# Allegro board gps_interface_boardv53ph.brd (continued)
## Routing (per net, layer and track width the routed paths; a pad name or vN(x,y) marks a point on that pad's centre or on a via; arc(x,y) is an arc through that point) (continued)
FMC.SPARE_BNC_0: length 231.9
  TOP w0.203: TP82.1 289.67,34.39 arc(289.8,34.12) 289.84,33.82 IC2.7
  SIG w0.203: v1(149.22,9.18) 149.52,9.48 arc(149.71,9.77) 149.78,10.12 149.78,26.64 arc(148.92,28.73) 146.84,29.59 128.84,29.59 arc(128.45,29.67) 128.12,29.89 127.48,30.54 arc(127.26,30.87) 127.18,31.26 127.18,33.15 arc(127.48,33.87) 128.19,34.16 160.08,34.16 arc(160.47,34.09) 160.8,33.87 167.93,26.74 arc(168.26,26.52) 168.65,26.44 183.2,26.44 arc(183.58,26.36) 183.91,26.14 187.08,22.98 arc(187.41,22.76) 187.8,22.68 237.15,22.68 arc(237.53,22.76) 237.86,22.98 244.79,29.9 arc(245.12,30.12) 245.51,30.2 278.51,30.2 arc(278.9,30.12) 279.23,29.9 279.81,29.33 arc(280.14,29.11) 280.52,29.03 285.6,29.03 arc(287.68,29.9) 288.54,31.98 TP82.1
  BOTTOM w0.33: J8.D23 v1(149.22,9.18)
FMC.SPARE_BNC_1: length 237.6
  TOP w0.203: TP83.1 290.64,34.94 arc(290.42,34.61) 290.34,34.22 IC2.6
  SIG w0.203: v1(147.96,9.18) 148.67,9.9 arc(148.89,10.23) 148.97,10.62 148.97,26.37 arc(148.24,28.13) 146.48,28.85 128.67,28.85 arc(128.28,28.93) 127.95,29.15 126.82,30.28 arc(126.59,30.61) 126.52,31 126.52,33.67 arc(126.81,34.39) 127.53,34.68 160.8,34.68 arc(160.88,34.65) 160.91,34.57 160.91,34.57 168.2,27.28 arc(168.53,27.06) 168.92,26.98 183.47,26.98 arc(183.86,26.91) 184.19,26.69 187.46,23.41 arc(187.79,23.19) 188.18,23.11 236.87,23.11 arc(237.25,23.19) 237.58,23.41 244.58,30.41 arc(244.91,30.63) 245.3,30.71 278.73,30.71 arc(279.11,30.63) 279.44,30.41 280.02,29.84 arc(280.35,29.62) 280.74,29.54 285.29,29.54 arc(286.19,29.91) 286.56,30.81 286.56,36.14 arc(286.86,36.86) 287.58,37.16 289.04,37.16 arc(289.43,37.08) 289.76,36.86 290.35,36.26 arc(290.68,36.04) 291.07,35.97 TP83.1
  BOTTOM w0.33: J8.D24 v1(147.96,9.18)
FMC.SPARE_LEMO_0: length 214.3
  TOP w0.203: TP84.1 282.54,30.24 arc(282.76,29.91) 282.83,29.52 IC1.7
  SIG w0.203: v1(145.41,9.18) 145.72,9.49 arc(145.93,9.8) 146,10.16 146,26.19 arc(145.49,27.43) 144.25,27.94 128.56,27.94 arc(128.17,28.02) 127.85,28.24 126.15,29.93 arc(125.93,30.26) 125.86,30.65 125.86,34.16 arc(126.15,34.88) 126.87,35.18 160.74,35.18 arc(160.98,35.13) 161.19,34.99 161.41,34.78 168.41,27.78 arc(168.74,27.56) 169.12,27.48 183.67,27.48 arc(184.06,27.4) 184.39,27.18 187.67,23.9 arc(188,23.68) 188.39,23.6 236.54,23.6 arc(236.93,23.68) 237.26,23.9 244.8,31.44 arc(245.13,31.66) 245.52,31.73 280.73,31.73 arc(281.02,31.68) 281.26,31.52 TP84.1
  BOTTOM w0.33: J8.D26 v1(145.41,9.18)
FMC.SPARE_LEMO_1: length 218.1
  TOP w0.203: TP85.1 283.63,30.27 arc(283.41,29.94) 283.33,29.55 IC1.6
  SIG w0.203: TP85.1 283.58,32.27 arc(283.25,32.49) 282.87,32.56 245.51,32.56 arc(245.12,32.49) 244.79,32.27 236.95,24.43 arc(236.62,24.21) 236.23,24.13 188.48,24.13 arc(188.09,24.21) 187.76,24.43 184.47,27.72 arc(184.14,27.94) 183.75,28.02 169.2,28.02 arc(168.81,28.09) 168.49,28.31 161.41,35.39 arc(161.08,35.61) 160.69,35.69 126.47,35.69 arc(125.59,35.32) 125.22,34.44 125.22,30.24 arc(125.3,29.85) 125.52,29.52 127.9,27.15 arc(128.23,26.93) 128.61,26.85 142.85,26.85 arc(144.45,26.19) 145.11,24.59 145.11,10.57 arc(145.03,10.18) 144.81,9.85 v1(144.15,9.18)
  BOTTOM w0.33: J8.D27 v1(144.15,9.18)
FMC.SPARE_RJ45_0_N: length 141.5
  TOP w0.33: v1(167,9.18) 167,9.5 168.05,10.54 168.05,13.2 arc(167.98,13.56) 167.77,13.86 167.6,14.03 arc(167.27,14.53) 167.16,15.11 167.16,26.01 arc(167.28,26.64) 167.64,27.18 185.9,45.44 arc(186.44,45.8) 187.07,45.92 235.93,45.92 arc(236.57,45.8) 237.1,45.44 246.13,36.41 arc(246.49,35.87) 246.62,35.24 246.62,25.48 arc(246.67,25.23) 246.81,25.01 v1(247.06,24.77) 246.81,24.52 arc(246.67,24.3) 246.62,24.05 246.62,20.95 246.99,20.57 246.99,19.54 arc(247.07,19.16) 247.28,18.83 J17.P3
  BOTTOM w0.33: U5.3 245.77,28.32 arc(245.55,28.28) 245.36,28.15 245.31,28.1 arc(245.12,27.97) 244.89,27.93 244.3,27.93 arc(243.69,27.67) 243.43,27.06 243.43,23.22 arc(243.69,22.6) 244.3,22.35 245.75,22.35 arc(246.36,22.6) 246.62,23.22 246.62,24.05 arc(246.67,24.3) 246.81,24.52 v1(247.06,24.77) ; J8.D9 v1(167,9.18)
FMC.SPARE_RJ45_0_P: length 139.4
  TOP w0.33: J17.P2 246.42,16.08 arc(246.45,16.16) 246.46,16.23 246.46,20.35 246.08,20.73 246.08,24.05 arc(246.03,24.3) 245.89,24.52 v1(245.64,24.77) 245.89,25.01 arc(246.03,25.23) 246.08,25.48 246.08,35.24 arc(246,35.67) 245.76,36.03 236.73,45.06 arc(236.36,45.3) 235.93,45.39 187.07,45.39 arc(186.64,45.3) 186.28,45.06 168.02,26.8 arc(167.78,26.44) 167.69,26.01 167.69,15.11 arc(167.77,14.73) 167.98,14.41 168.15,14.24 arc(168.47,13.76) 168.58,13.2 168.58,10.32 168.35,10.09 168.35,9.26 v1(168.28,9.18)
  BOTTOM w0.33: v1(245.64,24.77) 245.89,24.52 arc(246.03,24.3) 246.08,24.05 246.08,23.22 arc(245.99,22.98) 245.75,22.89 244.3,22.89 arc(244.06,22.98) 243.97,23.22 243.97,27.06 arc(244.06,27.3) 244.3,27.39 244.89,27.39 arc(245.12,27.35) 245.31,27.22 245.36,27.17 arc(245.55,27.05) 245.77,27 U5.1 ; J8.D8 v1(168.28,9.18)
FMC.SPARE_RJ45_1_N: length 154.8
  TOP w0.33: v1(163.19,9.18) 163.19,9.35 164.26,10.41 164.26,12.57 arc(164.19,12.93) 163.99,13.24 163.8,13.42 arc(163.48,13.9) 163.37,14.46 163.37,34.7 arc(163.5,35.33) 163.86,35.87 175.11,47.12 arc(175.64,47.47) 176.27,47.6 239.98,47.6 arc(240.61,47.47) 241.15,47.12 248.95,39.31 arc(249.31,38.78) 249.44,38.14 249.44,25.48 arc(249.49,25.23) 249.63,25.01 v1(249.88,24.77) 249.63,24.52 arc(249.49,24.3) 249.44,24.05 249.44,20.67 249.53,20.57 249.53,19.54 arc(249.61,19.16) 249.82,18.83 J17.P5
  BOTTOM w0.33: v1(249.88,24.77) 249.64,24.53 arc(249.5,24.32) 249.45,24.08 249.45,23.16 arc(249.56,22.91) 249.8,22.81 250.55,22.81 arc(251.14,23.05) 251.38,23.63 251.38,27.06 arc(251.28,27.3) 251.05,27.39 249.14,27.39 arc(248.91,27.35) 248.72,27.22 248.67,27.17 arc(248.48,27.05) 248.26,27 U5.6 ; J8.D12 v1(163.19,9.18)
FMC.SPARE_RJ45_1_P: length 157.6
  TOP w0.33: v1(164.47,9.18) 164.47,9.66 arc(164.5,9.85) 164.61,10 164.8,10.19 164.8,12.57 arc(164.68,13.14) 164.37,13.61 164.18,13.8 arc(163.98,14.1) 163.91,14.46 163.91,34.7 arc(163.99,35.13) 164.23,35.49 175.48,46.74 arc(175.85,46.98) 176.27,47.07 239.98,47.07 arc(240.41,46.98) 240.77,46.74 248.58,38.94 arc(248.82,38.57) 248.9,38.14 248.9,25.48 arc(248.85,25.23) 248.71,25.01 v1(248.46,24.77) 248.71,24.52 arc(248.85,24.3) 248.9,24.05 248.9,20.45 249,20.35 J17.P4
  BOTTOM w0.33: J8.D11 v1(164.47,9.18) ; v1(248.46,24.77) 248.71,24.51 arc(248.87,24.29) 248.92,24.02 248.92,23.16 arc(249.18,22.53) 249.8,22.28 250.55,22.28 arc(251.51,22.67) 251.91,23.63 251.91,27.06 arc(251.66,27.67) 251.05,27.93 249.14,27.93 arc(248.91,27.97) 248.72,28.1 248.67,28.15 arc(248.48,28.28) 248.26,28.32 U5.4
FMC.SPARE_RJ45_LED_0: length 307.3
  TOP w0.203: v1(238.04,4.56) Q10.1
  SIG w0.203: v1(238.04,4.56) 238.02,4.58 238.02,10.69 arc(239.18,13.48) 241.96,14.63 244.79,14.63 arc(244.94,14.6) 245.08,14.51 245.36,14.23 arc(245.42,14.19) 245.5,14.17 255.94,14.17 arc(256.78,14.34) 257.48,14.81 261.27,18.6 arc(261.6,18.82) 261.99,18.9 271.33,18.9 arc(271.72,18.82) 272.05,18.6 272.68,17.98 arc(273.01,17.76) 273.39,17.68 291.57,17.68 arc(293.58,18.51) 294.41,20.52 294.41,36.14 arc(293.97,37.22) 292.89,37.67 282.46,37.67 arc(282.07,37.59) 281.74,37.37 277.94,33.56 arc(277.61,33.34) 277.22,33.27 245.32,33.27 arc(244.93,33.19) 244.6,32.97 236.54,24.91 arc(236.21,24.69) 235.82,24.61 188.81,24.61 arc(188.42,24.69) 188.09,24.91 184.75,28.25 arc(184.42,28.47) 184.03,28.55 169.48,28.55 arc(169.09,28.63) 168.76,28.85 161.5,36.11 arc(161.17,36.33) 160.79,36.41 126.22,36.41 126.16,36.35 126.11,36.35 arc(125.05,35.91) 124.61,34.85 124.61,27.99 arc(125.37,26.16) 127.2,25.4 139.57,25.4 arc(140.99,24.81) 141.58,23.39 141.58,15.33 arc(141.5,14.94) 141.28,14.61 140.63,13.96 arc(140.41,13.63) 140.34,13.24 v1(140.34,11.14)
  BOTTOM w0.33: J8.G30 v1(140.34,11.14)
FMC.SPARE_RJ45_LED_1: length 276.1
  TOP w0.203: v1(261.59,14.5) 262.14,14.5 262.15,14.51 Q14.1
  SIG w0.203: v1(261.59,14.5) 263.48,16.39 arc(263.7,16.72) 263.78,17.11 263.78,17.58 arc(264.03,18.19) 264.63,18.44 271.14,18.44 arc(271.53,18.36) 271.86,18.14 272.49,17.52 arc(272.82,17.3) 273.21,17.22 291.76,17.22 arc(293.96,18.13) 294.87,20.33 294.87,36.53 arc(294.4,37.66) 293.27,38.13 282.08,38.13 arc(281.69,38.05) 281.36,37.83 277.69,34.16 arc(277.36,33.94) 276.97,33.86 245.2,33.86 arc(244.81,33.78) 244.48,33.56 236.26,25.34 arc(235.93,25.12) 235.55,25.04 189.22,25.04 arc(188.83,25.12) 188.5,25.34 185.06,28.78 arc(184.73,29) 184.34,29.08 169.79,29.08 arc(169.4,29.16) 169.07,29.38 161.84,36.61 arc(161.51,36.83) 161.12,36.91 126.01,36.91 arc(124.55,36.3) 123.95,34.85 123.95,27.38 arc(124.84,25.23) 127,24.33 137.13,24.33 arc(138.5,23.77) 139.06,22.4 v1(139.06,11.14)
  BOTTOM w0.33: J8.G31 v1(139.06,11.14)
FMC.TEMP_INTR*: length 218.7
  TOP w0.203: U46.3 14.78,87.88 arc(14.21,88.12) 13.97,88.7 13.97,93.5 arc(14.89,95.72) 17.12,96.65 28.99,96.65 arc(29.38,96.57) 29.71,96.35 v1(32.16,93.9)
  SIG w0.203: v1(144.15,11.14) 144.08,11.07 142.69,11.07 arc(142.3,11) 141.97,10.78 141.93,10.74 arc(141.6,10.52) 141.21,10.44 138.89,10.44 arc(138.61,10.5) 138.37,10.65 138.32,10.7 arc(138.18,10.92) 138.13,11.17 138.13,11.21 arc(138.08,11.46) 137.93,11.67 137.86,11.75 arc(137.68,12.01) 137.62,12.33 137.62,21.49 arc(137.01,22.96) 135.53,23.57 123.88,23.57 arc(122.92,23.97) 122.53,24.92 122.53,26.62 arc(121.65,28.74) 119.53,29.62 96.77,29.62 arc(95.71,30.06) 95.28,31.11 95.28,69.45 arc(95.2,69.84) 94.98,70.17 91.94,73.21 arc(91.61,73.43) 91.22,73.51 52.57,73.51 arc(52.18,73.43) 51.85,73.21 51.25,72.61 arc(50.92,72.39) 50.53,72.31 34.57,72.31 arc(32.86,73.02) 32.16,74.73 v1(32.16,93.9)
  BOTTOM w0.17: J8.G27 v1(144.15,11.14)
FPGA_3V3: length 80.5
  TOP w0.203: C100.1 133.45,8.74 arc(133.18,8.79) 132.95,8.95 v1(132.72,9.18) 132.45,8.92 arc(132.19,8.75) 131.89,8.69 C101.1
  BOTTOM w0.343: C104.1 78.87,13.18 arc(79.07,13.31) 79.3,13.36 90.91,13.36 arc(91.56,13.23) 92.12,12.86 96.75,8.22 arc(97.31,7.85) 97.97,7.72 102.77,7.72 arc(103.43,7.85) 103.98,8.22 106.87,11.11 arc(108.12,11.95) 109.6,12.24 111.78,12.24 arc(112.84,12.03) 113.74,11.43 115.58,9.59 arc(116.95,8.68) 118.56,8.36 127.39,8.36 arc(127.52,8.33) J8.D40 ; C104.1 C103.1 ; C104.1 C102.1
  BOTTOM w0.381: J8.D32 136.86,9.19 132.7,9.19 ; 131.11,9.19 129.2,9.19 arc(128.62,9.08) 128.13,8.75 J8.D40 ; 131.11,9.19 J8.D38 J8.C39 ; 131.11,9.19 132.7,9.19 ; 132.7,9.19 v1(132.72,9.18) J8.D36
FPGA_12V: length 41
  TOP w0.33: 131.44,5.26 133.62,5.26 arc(133.88,5.37) 133.99,5.62 v1(133.99,6.06) ; 131.44,5.26 120.06,5.26 arc(119.43,5.38) 118.9,5.74 117.48,7.16 arc(117.12,7.7) 116.99,8.33 116.99,13.01 arc(117.12,13.64) 117.48,14.17 118.44,15.14 arc(118.98,15.5) 119.61,15.62 v1(120.98,15.62) ; 131.44,5.26 v1(131.44,6.06)
  BOTTOM w0.305: C97.1 C99.1 C98.1 v1(120.98,15.62)
  BOTTOM w0.381: J8.C37 v1(131.44,6.06) ; J8.C35 v1(133.99,6.06)
GPS_CLK10_N: length 4
  TOP w0.165: U48.64 111.01,84.95 arc(110.99,85.04) 110.94,85.12 110.91,85.15 arc(110.83,85.2) 110.74,85.22 110.62,85.22 arc(110.45,85.25) 110.31,85.35 110.25,85.41 arc(110.13,85.59) 110.08,85.8 110.08,85.89 arc(110.05,86.05) 109.96,86.19 R35.2 109.81,86.4 109.93,86.52 109.93,86.66 arc(109.91,86.75) 109.86,86.83 109.78,86.91 arc(109.69,87.05) 109.65,87.22 C39.2
GPS_CLK10_P: length 4.3
  TOP w0.165: C38.2 110.72,87.22 arc(110.69,87.05) 110.59,86.91 110.51,86.83 arc(110.46,86.75) 110.44,86.66 110.44,86.52 arc(110.49,86.39) 110.63,86.33 R35.1 110.46,86.09 110.46,85.81 arc(110.48,85.74) 110.52,85.68 110.54,85.65 arc(110.6,85.61) 110.68,85.6 111.08,85.6 arc(111.38,85.47) 111.51,85.17 U48.63
GPS_CLK_IN: length 3.2
  BOTTOM w0.165: R2.1 92.1,137.59 arc(92.53,137.77) 92.71,138.2 J1.1
GPS_GROUP.GPS_CLK_N: length 94.6
  TOP w0.203: 80.31,129.17 80.34,129.19 U1.10
  TOP w0.33: C39.1 109.65,89.08 arc(109.68,89.22) 109.76,89.34 109.81,89.39 arc(109.89,89.51) 109.92,89.66 109.92,99.53 arc(109.83,99.96) 109.59,100.32 107.42,102.49 arc(107.06,102.73) 106.63,102.82 71.56,102.82 arc(70.93,102.94) 70.39,103.3 65.76,107.93 arc(65.4,108.47) 65.28,109.1 65.28,117.7 arc(65.4,118.33) 65.76,118.87 67.65,120.75 arc(68.18,121.11) 68.81,121.23 78.77,121.23 arc(79.19,121.32) 79.56,121.56 79.83,121.84 arc(80.19,122.37) 80.31,123 80.31,129.17
GPS_GROUP.GPS_CLK_P: length 94.7
  TOP w0.203: U1.11 80.88,131.04 80.88,129.3 80.86,129.28 80.86,129.21 80.9,129.17
  TOP w0.33: C38.1 110.72,89.08 arc(110.69,89.22) 110.61,89.34 110.56,89.39 arc(110.48,89.51) 110.45,89.66 110.45,99.53 arc(110.33,100.16) 109.97,100.7 107.8,102.87 arc(107.26,103.23) 106.63,103.35 71.56,103.35 arc(71.13,103.44) 70.77,103.68 66.14,108.31 arc(65.9,108.67) 65.81,109.1 65.81,117.7 arc(65.9,118.13) 66.14,118.49 68.02,120.37 arc(68.39,120.62) 68.81,120.7 78.77,120.7 arc(79.4,120.83) 79.93,121.18 80.82,122.07 arc(80.88,122.16) 80.9,122.26 80.9,129.17
GPS_IRIGB_IN: length 9.4
  TOP w0.203: J4.1 R264.1 64.15,137.06 arc(63.43,136.76) 63.13,136.04 U47.2
GPS_PPS_IN: length 9
  TOP w0.203: R267.1 J5.1
  TOP w0.254: R267.1 16.51,133.35 arc(16.69,132.92) 17.12,132.74 U2.7
GPS_SYNC_IN: length 9
  TOP w0.203: R268.1 J6.1
  TOP w0.254: R268.1 41.91,133.48 arc(42.13,132.96) 42.65,132.74 U3.7
I2C_SW_RST*: length 99.7
  TOP w0.203: U19.3 89.09,112.59 arc(88.9,112.62) 88.74,112.73 v1(88.57,112.9) ; v1(107.07,38.26) 107.07,35.44 107.09,35.43 U18.10
  BOTTOM w0.203: v1(88.57,112.9) 88.57,100.38 arc(88.63,100.1) 88.78,99.86 88.81,99.83 arc(88.97,99.6) 89.03,99.32 89.03,96.2 89.04,96.19 89.04,40.73 arc(89.76,38.99) 91.51,38.26 v1(107.07,38.26)
INTVCC_2V5: length 10.1
  TOP w0.203: v1(53.72,58.47) 53.95,58.25 arc(54.02,58.13) 54.05,57.99 R59.1 ; v1(53.72,58.47) 53.47,58.47 arc(53.07,58.31) 52.91,57.91 52.91,55.3 arc(53.07,54.91) 53.46,54.74 R60.1 ; v1(53.72,58.47) 54.94,58.47 arc(55.39,58.29) 55.57,57.84 U13.1
  BOTTOM w0.203: C86.1 54.05,57.93 arc(54.01,58.12) 53.9,58.29 v1(53.72,58.47)
INTVCC_3V3: length 4.8
  TOP w0.203: v1(63.19,76.35) 63.42,76.57 arc(63.56,76.79) 63.61,77.04 R55.1 63.61,78.78 63.51,78.88 U10.1
  BOTTOM w0.203: C74.1 v1(63.19,76.35)
INTVCC_5V: length 4.7
  TOP w0.203: U8.1 24.13,63.07 arc(23.9,63.63) 23.34,63.86 v1(22.61,63.86) R48.1
  BOTTOM w0.203: v1(22.61,63.86) C59.1
LED_0: length 7.7
  TOP w0.305: J17.P11 241.25,5.54 arc(240.68,5.65) 240.19,5.98 240.15,6.02 arc(239.66,6.35) 239.09,6.46 Q10.2
LED_1: length 11.6
  TOP w0.305: Q14.2 262.47,12.61 arc(262.01,12.42) 261.82,11.96 261.82,7.7 arc(261.19,6.17) 259.67,5.54 J17.P14
LEMO_DIR: length 16.9
  TOP w0.203: J12.2 J11.2 ; v1(285.72,25.27) 285.42,25.58 arc(285.11,25.79) 284.75,25.86 IC1.5
  BOTTOM w0.203: v1(285.72,25.27) 277.46,25.27 arc(277.07,25.2) 276.74,24.98 J12.2
MOD_ABS_SFP INTERFACE_ACLK SFP: length 3
  TOP w0.203: v1(137.07,121.97) 137.02,121.97 arc(136.87,121.91) 136.81,121.77 J30.6
  BOTTOM w0.203: R2679.2 136.93,122.11 v1(137.07,121.97)
MOD_ABS_SFP INTERFACE_SFP1: length 2.9
  TOP w0.203: J13.6 284.08,121.82 arc(284.14,121.96) 284.29,122.02 v1(284.34,122.02)
  BOTTOM w0.203: R127.2 284.2,122.16 v1(284.34,122.02)
MOD_ABS_SFP INTERFACE_SFP2: length 3
  TOP w0.203: v1(262.26,121.97) 262.21,121.97 arc(262.07,121.91) 262.01,121.77 J14.6
  BOTTOM w0.203: v1(262.26,121.97) 262.13,122.11 R148.2
MOD_ABS_SFP INTERFACE_SFP3: length 3
  TOP w0.203: J18.6 239.71,121.77 arc(239.77,121.91) 239.91,121.97 v1(239.96,121.97)
  BOTTOM w0.203: R169.2 239.83,122.11 v1(239.96,121.97)
MOD_ABS_SFP INTERFACE_SFP4: length 3
  TOP w0.203: v1(210.73,121.97) 210.68,121.97 arc(210.53,121.91) 210.47,121.77 J19.6
  BOTTOM w0.203: v1(210.73,121.97) 210.59,122.11 R190.2
MOD_ABS_SFP INTERFACE_SFP5: length 3
  TOP w0.203: v1(188.43,121.97) 188.38,121.97 arc(188.23,121.91) 188.17,121.77 J20.6
  BOTTOM w0.203: v1(188.43,121.97) 188.29,122.11 R211.2
MOD_ABS_SFP INTERFACE_SFP6: length 3
  TOP w0.203: v1(166.3,121.97) 166.25,121.97 arc(166.11,121.91) 166.05,121.77 J21.6
  BOTTOM w0.203: v1(166.3,121.97) 166.17,122.11 R232.2
N04910_SFP INTERFACE_SFP1: length 4.2
  TOP w0.165: U22.1 280.5,84.76 280.16,84.76 arc(279.97,84.8) 279.82,84.9 v1(279.65,85.06) ; v1(279.65,82.88) 279.89,83.12 arc(280.06,83.23) 280.26,83.27 U22.4
  BOTTOM w0.165: v1(279.65,82.88) v1(279.65,85.06)
N04910_SFP INTERFACE_SFP2: length 4.2
  TOP w0.165: v1(257.58,82.98) 257.82,83.22 arc(257.99,83.33) 258.19,83.37 U26.4 ; v1(257.58,85.17) 257.75,85 arc(257.9,84.9) 258.09,84.86 258.43,84.86 U26.1
  BOTTOM w0.165: v1(257.58,82.98) v1(257.58,85.17)
N04910_SFP INTERFACE_SFP3: length 4.2
  TOP w0.165: v1(235.28,85.17) 235.44,85 arc(235.6,84.9) 235.78,84.86 236.13,84.86 U30.1 ; U30.4 235.89,83.37 arc(235.69,83.33) 235.52,83.22 v1(235.28,82.98)
  BOTTOM w0.165: v1(235.28,82.98) v1(235.28,85.17)
N04910_SFP INTERFACE_SFP4: length 4.2
  TOP w0.165: U34.1 206.92,84.86 206.57,84.86 arc(206.39,84.9) 206.23,85 v1(206.07,85.17) ; U34.4 206.68,83.37 arc(206.48,83.33) 206.31,83.22 v1(206.07,82.98)
  BOTTOM w0.165: v1(206.07,82.98) v1(206.07,85.17)
N04910_SFP INTERFACE_SFP5: length 4.2
  TOP w0.165: v1(183.77,82.98) 184.01,83.22 arc(184.18,83.33) 184.38,83.37 U38.4 ; v1(183.77,85.17) 183.93,85 arc(184.09,84.9) 184.27,84.86 184.62,84.86 U38.1
  BOTTOM w0.165: v1(183.77,82.98) v1(183.77,85.17)
N04910_SFP INTERFACE_SFP6: length 4.2
  TOP w0.165: v1(161.65,82.98) 161.88,83.22 arc(162.05,83.33) 162.26,83.37 U42.4 ; U42.1 162.49,84.86 162.15,84.86 arc(161.97,84.9) 161.81,85 v1(161.65,85.17)
  BOTTOM w0.165: v1(161.65,82.98) v1(161.65,85.17)
N04977_SFP INTERFACE_SFP1: length 4.4
  TOP w0.33: U22.5 281.11,82.38 arc(281.07,82.17) 280.95,82 v1(280.75,81.79) ; U22.8 282.61,82.42 arc(282.65,82.25) 282.75,82.1 v1(283.06,81.79)
  BOTTOM w0.165: v1(280.75,81.79) v1(283.06,81.79)
N04977_SFP INTERFACE_SFP2: length 4.4
  TOP w0.33: v1(258.67,81.89) 258.88,82.1 arc(259,82.27) 259.04,82.48 U26.5 ; v1(260.99,81.89) 260.67,82.2 arc(260.58,82.35) 260.54,82.52 U26.8
  BOTTOM w0.165: v1(258.67,81.89) v1(260.99,81.89)
N04977_SFP INTERFACE_SFP3: length 4.4
  TOP w0.33: v1(238.68,81.89) 238.37,82.2 arc(238.27,82.35) 238.24,82.52 U30.8 ; U30.5 236.74,82.48 arc(236.7,82.27) 236.58,82.1 v1(236.37,81.89)
  BOTTOM w0.165: v1(236.37,81.89) v1(238.68,81.89)
N04977_SFP INTERFACE_SFP4: length 4.4
  TOP w0.33: U34.8 209.03,82.52 arc(209.06,82.35) 209.16,82.2 v1(209.47,81.89) ; U34.5 207.53,82.48 arc(207.49,82.27) 207.37,82.1 v1(207.16,81.89)
  BOTTOM w0.165: v1(207.16,81.89) v1(209.47,81.89)
N04977_SFP INTERFACE_SFP5: length 4.4
  TOP w0.33: v1(187.17,81.89) 186.86,82.2 arc(186.76,82.35) 186.73,82.52 U38.8 ; U38.5 185.23,82.48 arc(185.19,82.27) 185.07,82.1 v1(184.86,81.89)
  BOTTOM w0.165: v1(184.86,81.89) v1(187.17,81.89)
N04977_SFP INTERFACE_SFP6: length 4.4
  TOP w0.33: U42.5 163.11,82.48 arc(163.06,82.27) 162.95,82.1 v1(162.74,81.89) ; U42.8 164.61,82.52 arc(164.64,82.35) 164.74,82.2 v1(165.05,81.89)
  BOTTOM w0.165: v1(162.74,81.89) v1(165.05,81.89)
N136741_SFP INTERFACE_ACLK SFP: length 2.2
  TOP w0.17: D41.1 112.34,122.9 R2684.1
N136741_SFP INTERFACE_SFP1: length 3.6
  TOP w0.203: D17.1 279.18,106.26 279.18,106.26 v1(277.91,106.26)
  BOTTOM w0.203: R132.1 v1(277.91,106.26)
N136741_SFP INTERFACE_SFP2: length 3.6
  TOP w0.203: D21.1 257.11,106.26 257.11,106.26 v1(255.84,106.26)
  BOTTOM w0.203: R153.1 v1(255.84,106.26)
N136741_SFP INTERFACE_SFP3: length 3.6
  TOP w0.203: D25.1 234.81,106.26 234.8,106.26 v1(233.54,106.26)
  BOTTOM w0.203: R174.1 v1(233.54,106.26)
N136741_SFP INTERFACE_SFP4: length 3.6
  TOP w0.203: v1(204.31,106.26) 205.57,106.26 D29.1
  BOTTOM w0.203: R195.1 v1(204.31,106.26)
N136741_SFP INTERFACE_SFP5: length 3.6
  TOP w0.203: D33.1 183.27,106.26 v1(182,106.26)
  BOTTOM w0.203: R216.1 v1(182,106.26)
N136741_SFP INTERFACE_SFP6: length 3.5
  TOP w0.203: D37.1 161.15,106.26 161.14,106.25 arc(160.68,106.07) 160.23,106.25 v1(159.88,106.6)
  BOTTOM w0.203: R237.1 v1(159.88,106.6)
N141568_SFP INTERFACE_ACLK SFP: length 12
  TOP w0.17: U105.4 124.31,121.35 arc(124.15,120.96) 123.76,120.8 120.65,120.8 arc(120.32,120.87) 120.05,121.05 118.5,122.59 arc(118.23,122.78) 117.9,122.84 R2683.2 115.58,122.86 D41.2
N141568_SFP INTERFACE_SFP1: length 43.6
  TOP w0.165: D17.2 v1(280.61,107.86)
  SIG w0.165: v1(277.88,77.85) 277.67,78.05 arc(277.54,78.25) 277.5,78.48 277.5,89.33 arc(278.45,91.63) 280.75,92.58 285.57,92.58 arc(286.63,93.02) 287.07,94.08 287.07,101.05 arc(287.01,101.37) 286.83,101.64 v1(280.61,107.86)
  BOTTOM w0.165: U24.4 277.88,78.96 v1(277.88,77.85) 278.06,77.67 arc(278.17,77.5) 278.21,77.29 R131.2
N141568_SFP INTERFACE_SFP2: length 43
  TOP w0.165: D21.2 v1(258.53,107.86)
  SIG w0.165: v1(255.8,77.95) 255.8,92.48 arc(256.41,93.95) 257.89,94.56 263.45,94.56 arc(264.2,94.88) 264.52,95.63 264.52,101.54 arc(264.45,101.85) 264.27,102.12 v1(258.53,107.86)
  BOTTOM w0.165: R152.2 256.14,77.39 arc(256.1,77.6) 255.98,77.77 v1(255.8,77.95) 255.8,79.06 U28.4
N141568_SFP INTERFACE_SFP3: length 42.8
  TOP w0.165: D25.2 v1(236.23,107.86)
  SIG w0.165: v1(233.5,77.95) 233.19,78.27 arc(233.01,78.54) 232.94,78.85 232.94,89.38 arc(233.59,90.95) 235.15,91.59 238.28,91.59 arc(240.4,92.47) 241.27,94.59 241.27,97.76 arc(240.89,98.7) 239.95,99.09 237.82,99.09 arc(237.14,99.37) 236.85,100.05 236.85,104.84 arc(236.79,105.16) 236.61,105.42 236.47,105.56 arc(236.3,105.83) 236.23,106.15 v1(236.23,107.86)
  BOTTOM w0.165: U32.4 233.5,79.06 v1(233.5,77.95)
  BOTTOM w0.33: v1(233.5,77.95) 233.58,77.88 R173.2
N141568_SFP INTERFACE_SFP4: length 36
  TOP w0.165: D29.2 v1(207,107.86)
  SIG w0.165: v1(207,107.86) 206.24,107.1 arc(206.06,106.83) 205.99,106.52 205.99,102.37 arc(205.93,102.06) 205.75,101.79 204.51,100.55 arc(204.33,100.28) 204.27,99.96 204.27,99.2 arc(204.33,98.88) 204.51,98.61 204.91,98.21 arc(205.09,97.94) 205.16,97.63 205.16,94.04 arc(205.09,93.73) 204.91,93.46 204.23,92.77 arc(204.05,92.51) 203.99,92.19 203.99,78.46 arc(204.02,78.27) 204.13,78.12 v1(204.29,77.95)
  BOTTOM w0.165: v1(204.29,77.95) 204.29,79.06 U36.4
  BOTTOM w0.203: R194.2 205.54,78.01 205.54,78.84 arc(205.47,79) 205.31,79.07 U36.4
N141568_SFP INTERFACE_SFP5: length 50.6
  TOP w0.165: D33.2 v1(184.8,107.86)
  BOTTOM w0.165: U40.4 181.98,77.23 arc(181.74,76.64) 181.15,76.4 178.82,76.4 arc(178.08,76.71) 177.77,77.44 177.77,85.81 arc(177.84,86.13) 178.02,86.4 188.81,97.19 arc(188.99,97.46) 189.05,97.78 189.05,105.13 arc(188.76,105.83) 188.06,106.12 186.88,106.12 arc(186.56,106.18) 186.3,106.36 v1(184.8,107.86)
  BOTTOM w0.203: U40.4 182.59,79.07 arc(182.98,78.99) 183.3,78.77 183.88,78.2 arc(184.21,77.98) 184.6,77.9 R215.2
N141568_SFP INTERFACE_SFP6: length 54.3
  TOP w0.165: v1(162.57,107.86) 162.55,107.86
  TOP w0.203: 162.55,107.86 D37.2
  BOTTOM w0.165: v1(162.57,107.86) 162.57,107.62 arc(162.61,107.42) 162.72,107.25 163.69,106.29 arc(163.87,106.02) 163.93,105.7 163.93,100.1 arc(163.28,98.54) 161.71,97.89 156.38,97.89 arc(154.48,97.1) 153.7,95.2 153.7,78.13 arc(154.36,76.51) 155.98,75.84 158.95,75.84 arc(159.6,76.11) 159.87,76.76 159.87,79.06 U44.4
  BOTTOM w0.203: R236.2 162.47,77.9 arc(162.08,77.98) 161.75,78.2 161.18,78.77 arc(160.85,78.99) 160.46,79.07 U44.4
N210584_SFP INTERFACE_ACLK SFP: length 6.2
  TOP w0.17: R2685.1 112.13,126.31 arc(112.32,126.03) 112.38,125.71 D40.1 112.45,124.88 112.45,124.29 arc(112.61,123.9) 113,123.74 R2683.1
N210584_SFP INTERFACE_SFP1: length 5.6
  TOP w0.203: D16.1 279.04,73.52 279.11,73.46 v1(279.11,72.58)
  BOTTOM w0.203: v1(279.11,72.58) R133.1 279.11,75.67 279.11,75.67 R131.1
N210584_SFP INTERFACE_SFP2: length 4.1
  TOP w0.203: v1(258.09,74.28) D20.1
  BOTTOM w0.203: v1(258.09,74.28) 257.94,74.28 arc(257.84,74.3) 257.76,74.36 R154.1 257.04,75.77 257.04,75.77 R152.1
N210584_SFP INTERFACE_SFP3: length 8.5
  TOP w0.203: D24.1 238.81,74.87 238.88,74.8 v1(238.88,73.93)
  BOTTOM w0.33: R173.1 235.5,76.31 R175.1 235.5,75.07 arc(235.84,74.25) 236.66,73.91 238.86,73.91 v1(238.88,73.93)
N210584_SFP INTERFACE_SFP4: length 8.4
  TOP w0.203: v1(209.67,73.93) 209.67,74.8 209.6,74.87 D28.1
  BOTTOM w0.165: v1(209.67,73.93) 207.37,73.93 arc(206.78,74.17) 206.54,74.75 R196.1 206.55,76.33 R194.1
N210584_SFP INTERFACE_SFP5: length 5.6
  TOP w0.203: D32.1 187.3,74.87 187.36,74.8 v1(187.36,73.93)
  BOTTOM w0.203: v1(187.36,73.93) R217.1 187.36,77.01 187.37,77.02 R215.1
N210584_SFP INTERFACE_SFP6: length 5.6
  TOP w0.203: D36.1 165.18,74.87 165.24,74.8 v1(165.24,73.93)
  BOTTOM w0.203: R236.1 165.25,77.02 165.24,77.01 R238.1 v1(165.24,73.93)
PG_2V5: length 73.5
  TOP w0.165: U101.4 46.46,47.03 arc(46.78,47.1) 47.04,47.27 47.74,47.97 arc(48.01,48.15) 48.32,48.21 v1(52.73,48.21)
  TOP w0.203: U12.4 46.41,65.04 arc(46.66,65.09) 46.87,65.23 47.81,66.17 arc(48.14,66.39) 48.53,66.47 v1(53.57,66.47)
  BOTTOM w0.165: v1(52.73,48.21) 52.73,43.71 arc(53.33,42.26) 54.79,41.66 61.49,41.66 arc(66,43.52) 67.87,48.03 67.87,63.7 arc(67.59,64.37) 66.93,64.64 55.82,64.64 arc(55.33,64.85) 55.13,65.34 R61.1
  BOTTOM w0.203: v1(53.57,66.47) 53.79,66.25 arc(54,66.11) 54.24,66.07 R61.1 55.13,67.72 55.11,67.74 Q6.1
PG_3V3: length 32.7
  TOP w0.165: v1(51.87,84.28) 48.4,84.28 arc(48.08,84.21) 47.81,84.04 47.07,83.29 arc(46.8,83.11) 46.49,83.05 U9.4 ; U11.4 46.29,97.91 arc(46.49,97.95) 46.66,98.06 47.44,98.84 arc(47.71,99.02) 48.02,99.09 v1(51.87,99.09)
  BOTTOM w0.203: Q5.1 54.91,101.24 54.88,101.21 R56.1 52.58,99.52 arc(52.32,99.46) 52.1,99.32 v1(51.87,99.09) v1(51.87,84.28)
